# Altium PCB 105358-3LA001-02_EFM1.5.PcbDoc (part 1 of 2)
Units mm, origin at the board's own origin, x right, y up, seen from the top; angles counter-clockwise.
Board outline 33.3 x 14.2 mm, 6 copper layers (Component Side, Inner Layer 1, Ground Plane (GND), Power Plane (VCC), Inner Layer 2, Solder Side), stack 0.975 mm thick; 79 components, 51 nets, 276 pads, 125 vias.
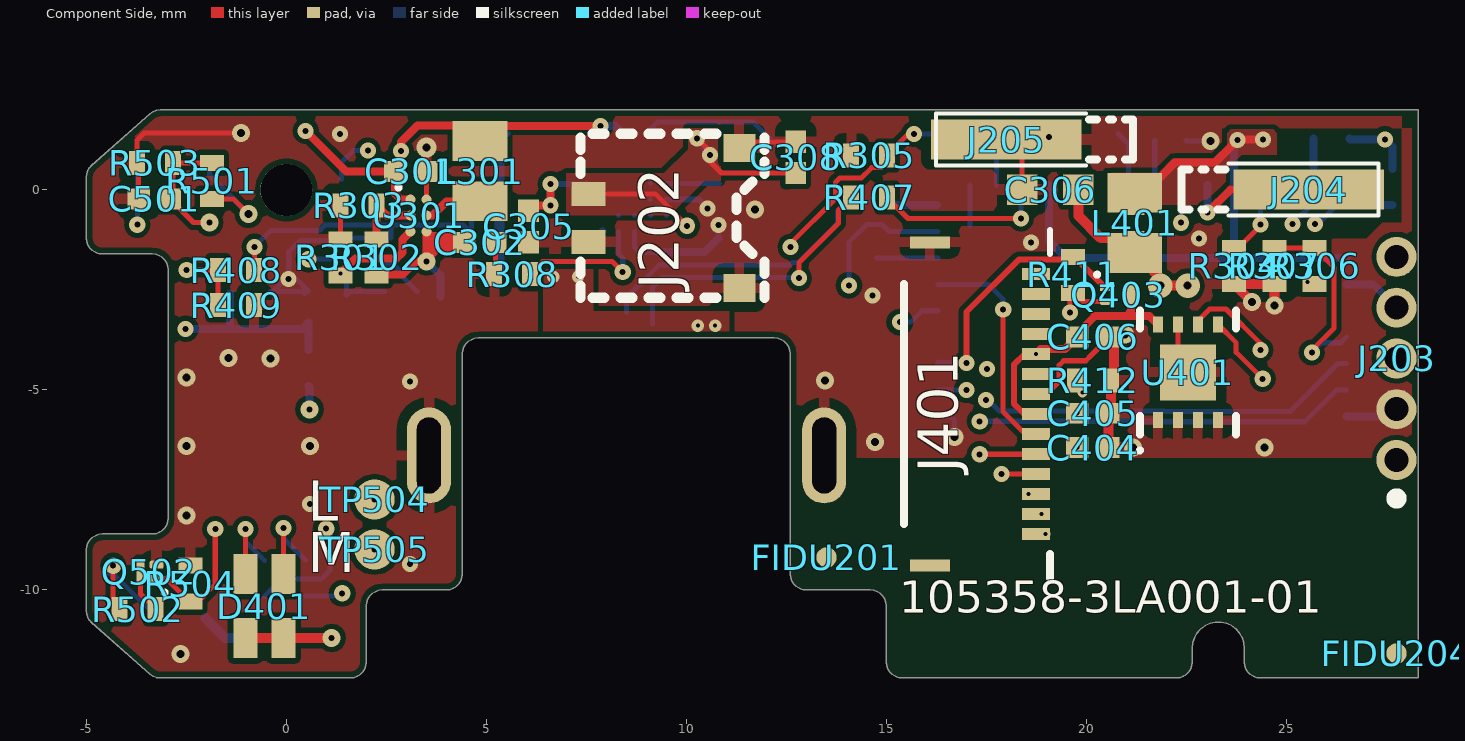
[diagram p0: Component Side view]
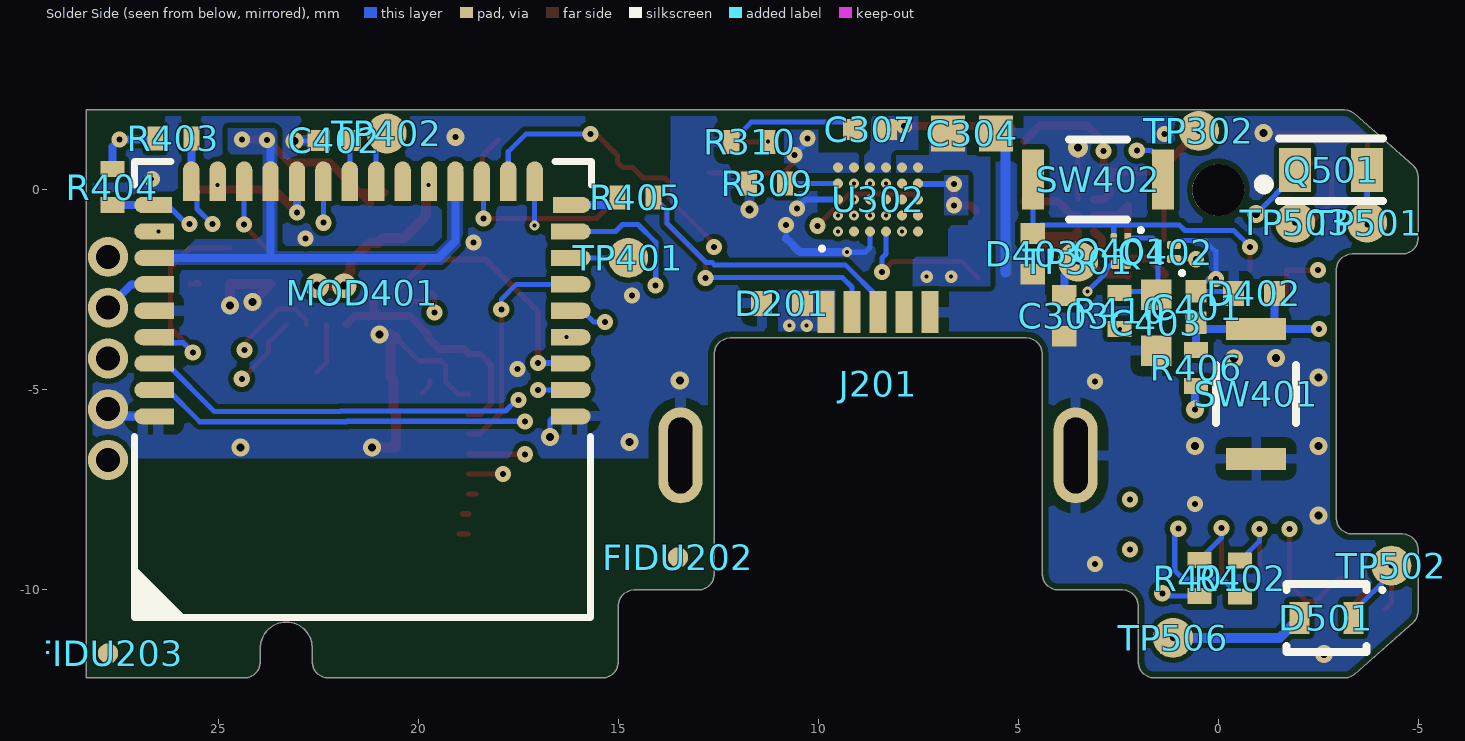
[diagram p1: Solder Side view, seen from below]
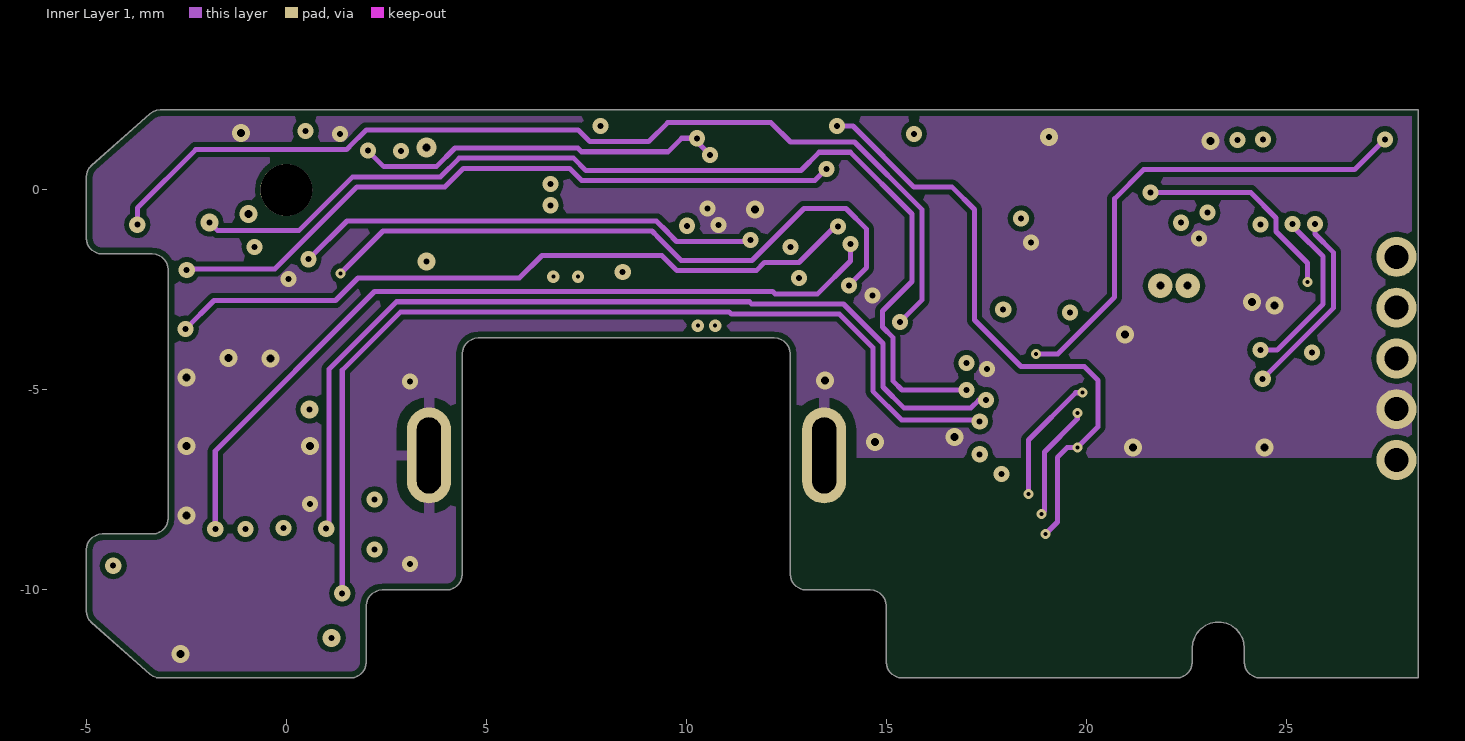
[diagram p2: Inner Layer 1]
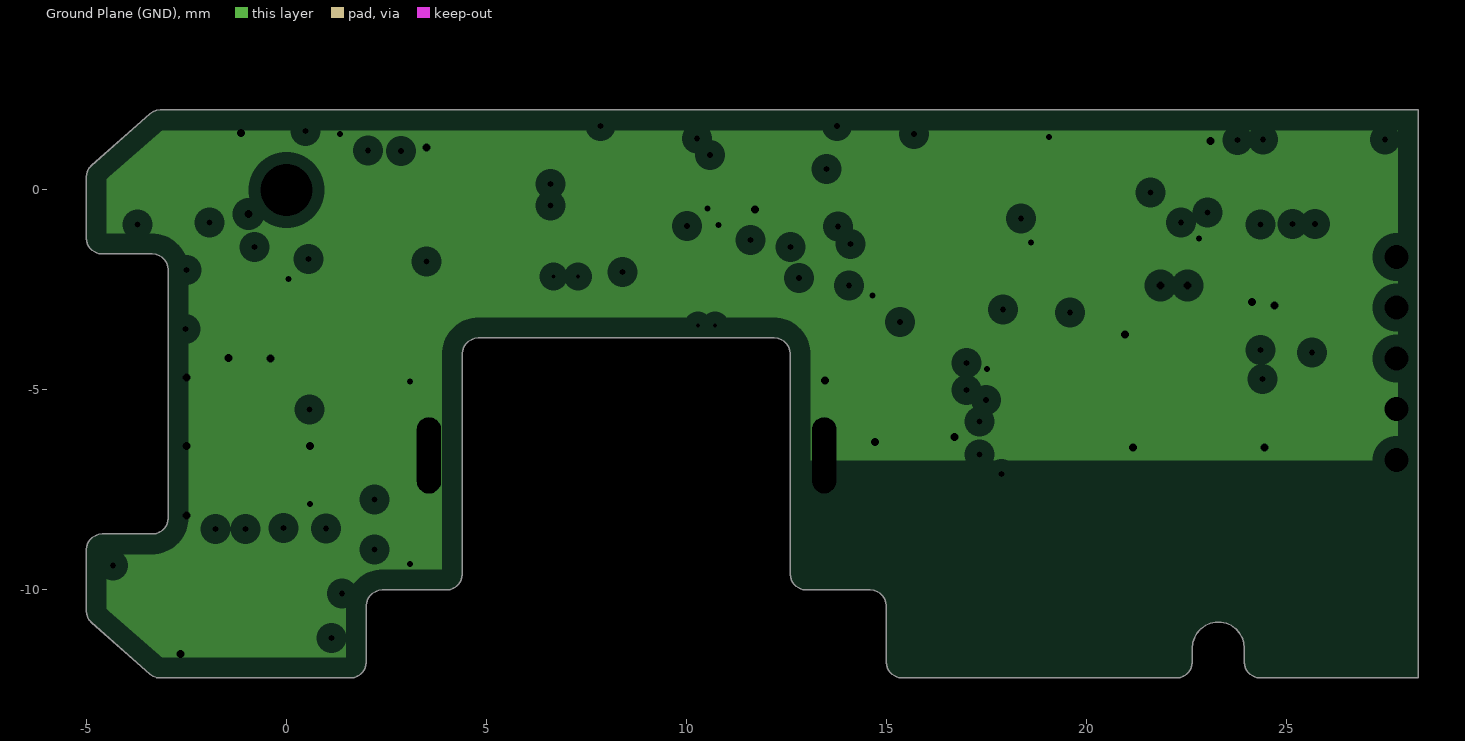
[diagram p3: Ground Plane (GND), clearances drawn from the general rule]
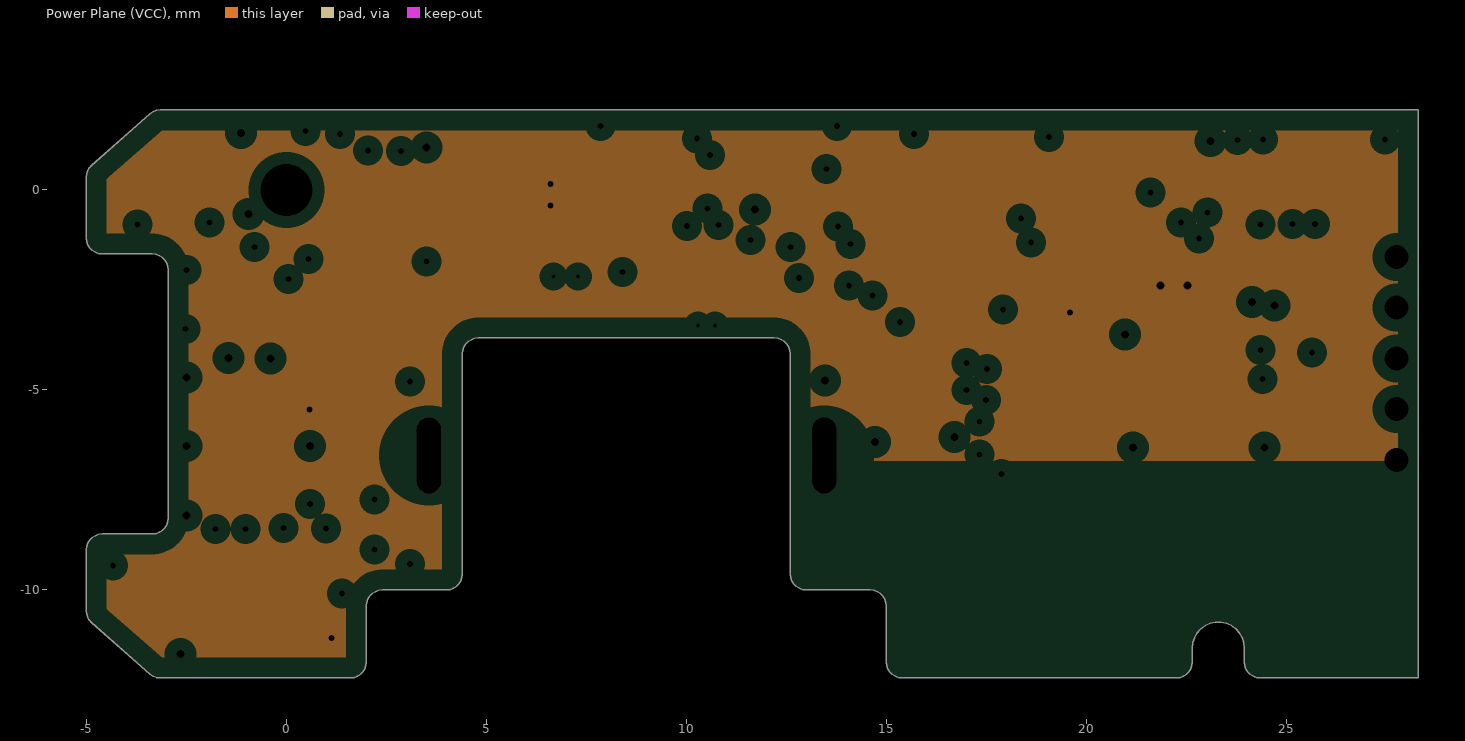
[diagram p4: Power Plane (VCC), clearances drawn from the general rule]
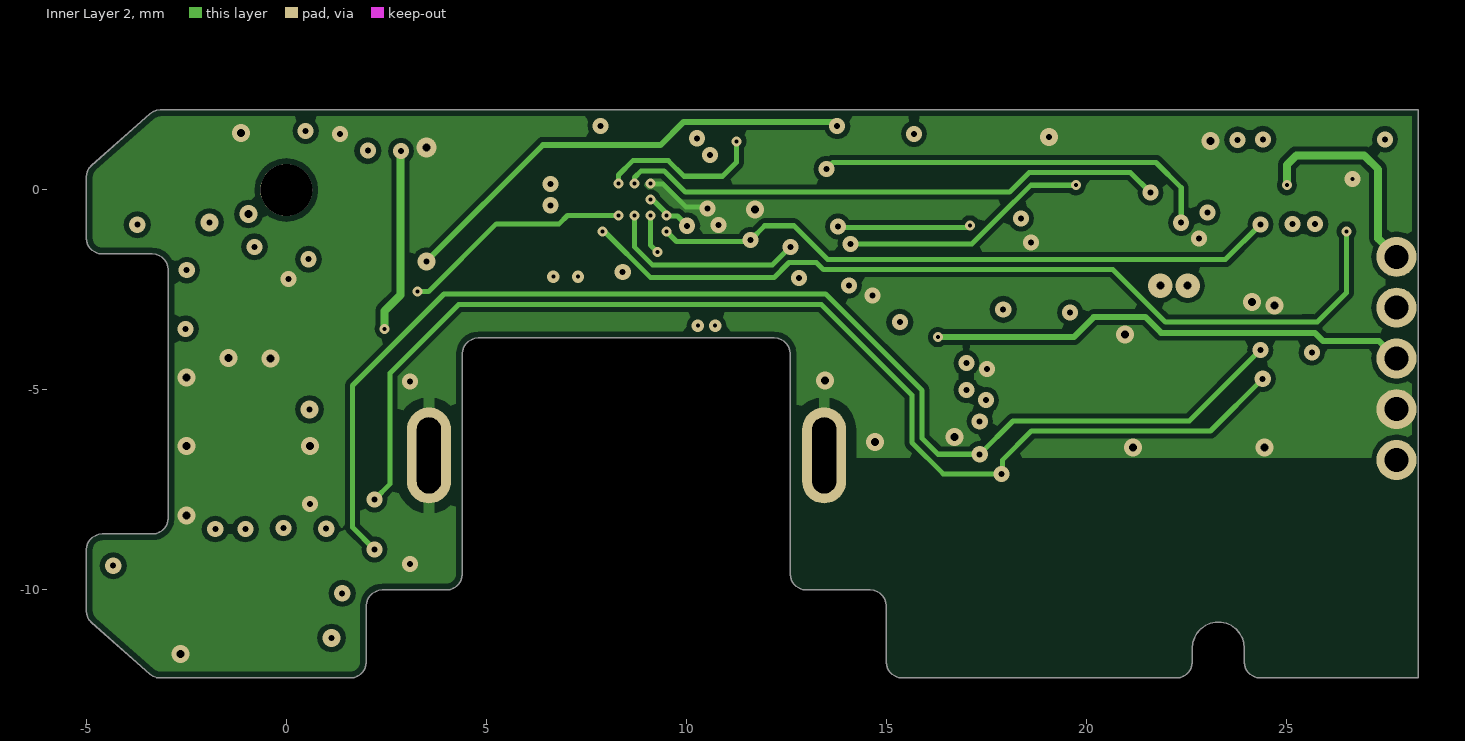
[diagram p5: Inner Layer 2]

## Layer stack, top to bottom
Top Solder: solder mask 0.0178, Solder Resist, Dk 4
Component Side: signal copper 0.0356
Dielectric 1: prepreg 0.0635, FR-4, Dk 4.2
Inner Layer 1: signal copper 0.0356
Dielectric 3: prepreg 0.0635, FR-4, Dk 4.2
Ground Plane (GND): plane copper 0.0356, net GND
Dielectric 6: core 0.508, FR-4, Dk 4.2
Power Plane (VCC): plane copper 0.0356, net 3V
Dielectric 5: prepreg 0.0635, FR-4, Dk 4.2
Inner Layer 2: signal copper 0.0356
Dielectric 4: prepreg 0.0635, FR-4, Dk 4.2
Solder Side: signal copper 0.0356
Bottom Solder: solder mask 0.0178, Solder Resist, Dk 4

## Board outline
-4.865,-10.819 -3.413,-12.1 -3.334,-12.154 -3.244,-12.188 -3.149,-12.2 1.6,-12.2 1.689,-12.19 1.774,-12.16 1.849,-12.113 1.913,-12.049 1.96,-11.974 1.99,-11.889 2,-11.8 2,-10.4 2.01,-10.311 2.04,-10.226 2.087,-10.151 2.151,-10.087 2.226,-10.04 2.311,-10.01 2.4,-10 4,-10 4.089,-9.99 4.174,-9.96 4.249,-9.913 4.313,-9.849 4.36,-9.774 4.39,-9.689 4.4,-9.6 4.4,-4.1 4.41,-4.011 4.44,-3.926 4.487,-3.851 4.551,-3.787 4.626,-3.74 4.711,-3.71 4.8,-3.7 12.2,-3.7 12.289,-3.71 12.374,-3.74 12.449,-3.787 12.513,-3.851 12.56,-3.926 12.59,-4.011 12.6,-4.1 12.6,-9.6 12.61,-9.689 12.64,-9.774 12.687,-9.849 12.751,-9.913 12.826,-9.96 12.911,-9.99 13,-10 14.6,-10 14.689,-10.01 14.774,-10.04 14.849,-10.087 14.913,-10.151 14.96,-10.226 14.99,-10.311 15,-10.4 15,-11.8 15.01,-11.889 15.04,-11.974 15.087,-12.049 15.151,-12.113 15.226,-12.16 15.311,-12.19 15.4,-12.2 22.25,-12.2 22.339,-12.19 22.424,-12.16 22.499,-12.113 22.563,-12.049 22.61,-11.974 22.64,-11.889 22.65,-11.8 22.65,-11.45 22.664,-11.315 22.706,-11.186 22.774,-11.068 22.865,-10.967 22.975,-10.887 23.099,-10.832 23.232,-10.804 23.368,-10.804 23.501,-10.832 23.625,-10.887 23.735,-10.967 23.826,-11.068 23.894,-11.186 23.936,-11.315 23.95,-11.45 23.95,-11.8 23.96,-11.889 23.99,-11.974 24.037,-12.049 24.101,-12.113 24.176,-12.16 24.261,-12.19 24.35,-12.2 28.3,-12.2 28.3,2 -3.149,2 -3.244,1.988 -3.334,1.954 -3.413,1.9 -4.865,0.619 -4.922,0.557 -4.965,0.484 -4.991,0.404 -5,0.319 -5,-1.2 -4.99,-1.289 -4.96,-1.374 -4.913,-1.449 -4.849,-1.513 -4.774,-1.56 -4.689,-1.59 -4.6,-1.6 -3.35,-1.6 -3.261,-1.61 -3.176,-1.64 -3.101,-1.687 -3.037,-1.751 -2.99,-1.826 -2.96,-1.911 -2.95,-2 -2.95,-8.2 -2.96,-8.289 -2.99,-8.374 -3.037,-8.449 -3.101,-8.513 -3.176,-8.56 -3.261,-8.59 -3.35,-8.6 -4.6,-8.6 -4.689,-8.61 -4.774,-8.64 -4.849,-8.687 -4.913,-8.751 -4.96,-8.826 -4.99,-8.911 -5,-9 -5,-10.519 -4.991,-10.604 -4.965,-10.684 -4.922,-10.757

## Design rules (kind name [scope] priority, off if disabled: settings)
AcuteAngle [All] p1: minimum=6.00000000000000E+0001 checktracksonly=FALSE
AssemblyTestpoint [(IsPad And (OnTopLayer Or OnBottomLayer)) Or (IsVia) Or (IsPad And OnMultiLayer)] p1: testpointundercomponent=TRUE minsize=0.8 maxsize=2.5 preferedsize=1 minholesize=0 maxholesize=2 preferedholesize=0.7 testpointgrid=0.025 usegrid=FALSE gridtolerance=0 allowsidebottom=TRUE minspacing=2.54
BoardOutlineClearance [All] p1: gap=0.15 ignorepadtopadclearanceinfootprint=FALSE
Clearance Clearance_FIDU [InComponentClass('FIDU')] p1: gap=0.2 ignorepadtopadclearanceinfootprint=FALSE except(0: Arc-Hole Track-Hole SMDPad-Hole THPad-Hole Via-Hole Fill-Hole Poly-Hole Region-Hole Text-Hole)
Clearance TRX_LINE_CLEARENCE [InNetClass('RF_50_Ohm')] p2: gap=0.4 ignorepadtopadclearanceinfootprint=FALSE except(0: Arc-Hole Track-Hole SMDPad-Hole THPad-Hole Via-Hole Fill-Hole Poly-Hole Region-Hole Text-Hole)
Clearance Clearance_4 [All] p3: gap=0.127 ignorepadtopadclearanceinfootprint=FALSE // All - All
Clearance Clearance_2 [InNetClass('Primary') vs InNetClass('Primary') or InNet('GND')] p4: gap=2.5 ignorepadtopadclearanceinfootprint=FALSE except(0: Arc-Hole Track-Hole SMDPad-Hole THPad-Hole Via-Hole Fill-Hole Poly-Hole Region-Hole Text-Hole) // Primary - Primary
Clearance Clearance_1 [OnLayer('Mid-Layer 1') or OnLayer('Multi-Layer') vs OnLayer('Mid-Layer 1')] p5: gap=0.4 ignorepadtopadclearanceinfootprint=FALSE except(0: Arc-Hole Track-Hole SMDPad-Hole THPad-Hole Via-Hole Fill-Hole Poly-Hole Region-Hole Text-Hole) // Inner Layers
Clearance Clearance_TP [InComponentClass('TP')] p6: gap=0.127 ignorepadtopadclearanceinfootprint=FALSE except(0: Arc-Hole Track-Hole SMDPad-Hole THPad-Hole Via-Hole Fill-Hole Poly-Hole Region-Hole Text-Hole; 0.2: Arc-Arc Arc-Track Arc-SMDPad Arc-THPad Arc-Via Arc-Fill Arc-Poly Arc-Region Track-Track Track-SMDPad Track-THPad Track-Via Track-Fill Track-Poly Track-Region THPad-THPad THPad-Via THPad-Fill THPad-Poly THPad-Region)
ComponentClearance [ALL and not( ( InComponentClass('NET_TIE') or InComponentClass('TP'))OR InComponentClass('FIDU')or InComponentClass('3D_IGNORE')or InComponent('D401'))] p1: gap=0.15 collisioncheckmode=3 verticalgap=0.1 showdistances=TRUE
DiffPairsRouting [All] p1: maxlimit=0.254 minlimit=0.2 mostfreqgap=0.2 toplayer_minwidth=0.127 toplayer_maxwidth=0.381 toplayer_prefwidth=0.2 midlayer1_minwidth=0.127 midlayer1_maxwidth=0.381 midlayer1_prefwidth=0.2 midlayer2_minwidth=0.127 midlayer2_maxwidth=0.381 midlayer2_prefwidth=0.2 bottomlayer_minwidth=0.127 bottomlayer_maxwidth=0.381 bottomlayer_prefwidth=0.2 maxuncoupledlength=12.7
FabricationTestPointUsage TestPointUsage [All] p1: valid=0 allowmultiple=FALSE
FabricationTestpoint Testpoint [(IsPad And (OnTopLayer Or OnBottomLayer)) Or (IsVia) Or (IsPad And OnMultiLayer)] p1: side=2 testpointundercomponent=TRUE minsize=0.8 maxsize=2.5 preferedsize=1 minholesize=0 maxholesize=2 preferedholesize=0.7 testpointgrid=2.54 allowsidebottom=TRUE usegrid=TRUE gridoriginx=109.725 gridoriginy=79.23 gridtolerance=0 minspacing=2.54
FanoutControl Fanout_Default [All] p1: bgadir=Out bgaviamode=Centered fanoutstyle=Auto fanoutdirection=Alternating viagrid=0.025 // Fanout_Default (Default Rule)
FanoutControl Fanout_Small [(CompPinCount < 5)] p2: bgadir=Out bgaviamode=Centered fanoutstyle=Auto fanoutdirection=OutThenIn viagrid=0.025 // Fanout_Small (Default Rule)
FanoutControl Fanout_LCC [IsLCC] p4: bgadir=Out bgaviamode=Centered fanoutstyle=Auto fanoutdirection=Alternating viagrid=0.025 // Fanout_LCC (Default Rule)
FanoutControl Fanout_BGA [IsBGA] p5: bgadir=Out bgaviamode=Centered fanoutstyle=Auto fanoutdirection=Alternating viagrid=0.025 // Fanout_BGA (Default Rule)
HoleSize [All] p1: absolutevalues=TRUE maxlimit=3.5 minlimit=0.1 maxpercent=80.000 minpercent=20.000
HoleToHoleClearance [All] p1: gap=0.127 allowstackedmicrovias=TRUE
MinimumAnnularRing MinimumAnnularRing_Uvia1 [InDrillLayerPair('Component Side - Inner Layer 1')] p1: minimumring=0.074
MinimumAnnularRing MinimumAnnularRing_Uvia2 [InDrillLayerPair('Inner Layer 2 - Solder Side')] p2: minimumring=0.074
MinimumAnnularRing MinimumAnnularRing_2 [isPad] p3: minimumring=0.2
MinimumAnnularRing MinimumAnnularRing_1 [isVia] p4: minimumring=0.125
MinimumSolderMaskSliver [All] p1: minsoldermaskwidth=0.06
MinimumSolderMaskSliver SilkscreenOverComponentPads [IsPad] p2: minsoldermaskwidth=0.075
PlaneClearance [All] p1: clearance=0.3
PlaneConnect PlaneConnect_VIA [isVia or HasFootprint('PAD PROGRAMMING')] p1: planeconnectstyle=Direct reliefexpansion=0.508 reliefentries=4 reliefconductorwidth=0.254 reliefairgap=0.254
PlaneConnect [All] p2: planeconnectstyle=Relief reliefexpansion=0.508 reliefentries=4 reliefconductorwidth=0.254 reliefairgap=0.254
PolygonConnect PolygonConnect_NO-Thermal [All vs IsNamedPolygon('NETC303_1_5VIN') or  IsNamedPolygon('Solder Side-VCC_SYS') or IsNamedPolygon('CC-3V_CAPS') or  IsNamedPolygon('Ss-5V_USB_IN_2') or IsNamedPolygon('SS-NetC307_2') or IsNamedPolygon('SS-GND_SB03') or IsNamedPolygon('Component Side-NetC307_2') or IsNamedPolygon('Solder Side-NetJ201_5') or  IsNamedPolygon('Component Side-NetJ201_5')or  IsNamedPolygon('Component Side-BLE_VDD_4')or IsNamedPolygon('SS-BLE_VDD_4')or IsNamedPolygon('SS-GND_9VRED')] p1: connectstyle=Direct reliefconductorwidth=0.254 reliefentries=4 polygonreliefangle="90 Angle" airgapwidth=0.254
PolygonConnect PolygonConnect_VIA [IsVia] p2: connectstyle=Direct reliefconductorwidth=0.254 reliefentries=4 polygonreliefangle="90 Angle" airgapwidth=0.254
PolygonConnect NET_TIE [InComponentClass('NET_TIE')] p3: connectstyle=Direct reliefconductorwidth=0.254 reliefentries=4 polygonreliefangle="90 Angle" airgapwidth=0.254
PolygonConnect PolygonConnect_TP_I [HasFootprint('TESTPOINT_C_R0608')or HasFootprint('TESTPOINT_C_R0402')OR HasFootprint('PAD PROGRAMMING')] p4: connectstyle=Direct reliefconductorwidth=0.254 reliefentries=4 polygonreliefangle="90 Angle" airgapwidth=0.254
PolygonConnect [All] p5: connectstyle=Relief reliefconductorwidth=0.254 reliefentries=4 polygonreliefangle="90 Angle" airgapwidth=0.254
RoutingVias [((StartLayer = 'Component Side') and (StopLayer = 'Solder Side' )) or ((StartLayer = 'Solder Side') and (StopLayer = 'Component Side' ))] p1: holewidth=0.15 width=0.401 viastyle="Through Hole" minholewidth=0.15 minwidth=0.4 maxholewidth=0.2 maxwidth=0.61
RoutingVias Microvia [((StartLayer = 'Component Side') and (StopLayer = 'Inner Layer 1' )) or  ((StartLayer = 'Inner Layer 2'  ) and (StopLayer = 'Solder Side')) or ((StartLayer = 'Inner Layer 1') and (StopLayer = 'Component Side'  )) or ((StartLayer = 'Solder Side' ) and (StopLayer = 'Inner Layer 2'))] p2: holewidth=0.1 width=0.31 viastyle="Through Hole" minholewidth=0.1 minwidth=0.25 maxholewidth=0.15 maxwidth=0.45
RoutingVias BuriedVia [((StartLayer = 'Inner Layer 1') and (StopLayer = 'Inner Layer 2' )) or  ((StartLayer = 'Inner Layer 2') and (StopLayer = 'Inner Layer 1' ))] p3: holewidth=0.15 width=0.401 viastyle="Through Hole" minholewidth=0.15 minwidth=0.401 maxholewidth=0.2 maxwidth=0.61
SilkToSilkClearance [All] p1: silktosilkclearance=0
SilkToSolderMaskClearance SilkscreenOverComponentPads_1 [IsPad] p1: minsilkscreentomaskgap=0 clearancetoexposedcopper=TRUE
SolderMaskExpansion SolderMaskExpansion_2 [All] p1: expansion=0.1
SolderMaskExpansion SolderMaskExpansion_1 [isVia And Not TestpointBottom] p2: expansion=-0.508
Width [All] p1: maxlimit=5 minlimit=0.127 preferedwidth=0.2
14 further rules are at their usual default settings.

## Classes and differential pairs
polygon class PolygonClass_NOTHERMAL: NETC303_1_5VIN
component class 3D_EXPORT: D401 D501 J201 J202 J204 J205 J401 MOD401 Q501 SW401 SW402
component class "Power Management": C301 C302 C303 C304 C305 C306 C307 C308 L301 R301 R302 R303 R304 R305 R306 R307 R308 R309 R310 TP301 TP302 U301 U302
component class "IO Board": C501 D501 Q501 Q502 R501 R502 R503 R504 TP501 TP502 TP503 TP504 TP505 TP506
component class "CPU Board": C401 C402 C403 C404 C405 C406 D401 D402 D403 J401 L401 MOD401 Q401 Q402 Q403 R401 R402 R403 R404 R405 R406 R407 R408 R409 R410 R411 R412 SW401 SW402 TP401 TP402 U401
component class "Block diagram": D201 FIDU201 FIDU202 FIDU203 FIDU204 J201 J202 J203 J204 J205
component class FIDU: FIDU2 FIDU201 FIDU202 FIDU203 FIDU204
component class TP: J203 TP301 TP302 TP401 TP402 TP501 TP502 TP503 TP504 TP505 TP506
component class 3D_IGNORE: C304

## Components (designator, comment, footprint, x,y, rotation, side; value= is the part's Value field where it differs from the comment)
C301 "1µF-10V" 0402C_HIGH_DENSITY 3.106,0.464 r180 top
C302 "1µF-10V" 0402C_HIGH_DENSITY 4.837,-1.313 r180 top
C303 "DNP" 0402C-GENERIC 3.849,-3.149 r90 bottom
C304 "10µF-16V" 0603C_HIGH_DENSITY 6.153,1.417 r180 bottom
C305 "1µF-10V" 0402C_HIGH_DENSITY 6.056,-0.913 r90 top
C306 "DNP" 0603C-GENERIC 19.087,-0.006 r0 top
C307 "1µF-10V" 0402C_HIGH_DENSITY 8.706,1.514 r180 bottom
C308 "4.7µF" 0402C_HIGH_DENSITY 12.736,0.814 r270 top
C401 "0.1µF-10V" 0402C_HIGH_DENSITY 0.556,-2.926 r270 bottom
C402 "2.2nF" 0402C_HIGH_DENSITY 22.1,1.239 r0 bottom
C403 "22µF" 0603C-GENERIC 1.53,-3.332 r90 bottom
C404 "4.7µF" 0402C_HIGH_DENSITY 20.164,-6.439 r0 top
C405 "4.7µF" 0402C_HIGH_DENSITY 20.164,-5.581 r180 top
C406 "1µF-10V" 0402C_HIGH_DENSITY 20.164,-3.674 r180 top
C501 "1.2nF-10V" 0402C_HIGH_DENSITY -3.302,-0.222 r0 top
D201 "LXES15AAA1-133" 0402C-GENERIC 10.907,-2.836 r180 bottom
D401 "LED OG" KPHBM-2012CGKSEKC -0.55,-10.405 r270 top
D402 "LXES15AAA1-133" 0402C-GENERIC -0.894,-2.586 r180 bottom
D403 "LXES15AAA1-133" 0402C-GENERIC 4.636,-1.596 r90 bottom
D501 "APT1608F3C" APT1608F3C -2.7,-10.7 r180 bottom locked
FIDU201 "FIDU-miniROUND" FIDU-MINI-ROUND#1 13.506,-9.186 r90 top locked
FIDU202 "FIDU-miniROUND" FIDU-MINI-ROUND#2 13.263,-10.444 r90 bottom locked
FIDU203 "FIDU-miniROUND" FIDU-MINI-ROUND#3 26.738,-11.64 r90 bottom locked
FIDU204 "FIDU-miniROUND" FIDU-MINI-ROUND#4 27.756,-11.583 r90 top locked
J201 "USB3155" USB3155 8.506,-8.156 r90 bottom locked
J202 "0781710002" "PAD 0781710002" 7.551,-0.696 r90 top locked
J203 "CPU Prog. PADs" "PAD PROGRAMMING" 27.756,-4.211 r180 top
J204 "120220-0161" "PAD 1.0x3.76mm" 25.561,0.011 r270 top locked
J205 "120220-0161" "PAD 1.0x3.76mm" 17.995,1.262 r90 top
J401 "5034801400" 5034801400 18.74,-5.35 r180 top locked
L301 "10µH" 0805L_HIGH_DENSITY 4.845,0.469 r270 top
L401 "BLM21PG331SN1D" "0805L_HIGH_DENSITY - Hybrid 0402" 21.21,-0.819 r270 top
MOD401 "CYBLE-214009-00" CYBLE-014008-00_MINKEEPOUT 26.894,-10.486 r180 bottom locked
Q401 "CSD23382F4" "CSD23382F4 -DFN65P100X35-3L" 2.438,-1.531 r270 bottom
Q402 "CSD13380F3T" CSD13380F3-DFN40P69X35-3L 1.284,-1.551 r0 bottom
Q403 "CSD23382F4" "CSD23382F4 -DFN65P100X35-3L" 20.795,-2.618 r0 top
Q501 "KPT-2012P3BT" APT2012P3BT -2.82,0.5 r180 bottom locked
Q502 "CSD13380F3T" CSD13380F3-DFN40P69X35-3L -3.419,-9.542 r180 top
R301 "820K" 0402R-GENERIC 1.356,-1.686 r90 top
R302 "820K" 0402R-GENERIC 2.256,-1.686 r90 top
R303 "82K" 0402R-GENERIC 1.806,-0.386 r180 top
R304 "82K" 0402R-GENERIC 23.696,-1.898 r270 top
R305 "820K" 0402R-GENERIC 14.57,0.865 r180 top
R306 "200K" 0402R-GENERIC 25.705,-1.898 r90 top
R307 "150K" 0402R-GENERIC 24.701,-1.898 r270 top
R308 "10K" 0402R-GENERIC 5.646,-2.106 r180 top
R309 "5.6K" 0402R-GENERIC 11.276,0.164 r180 bottom
R310 "41.2K" 0402R-GENERIC 11.716,1.204 r180 bottom
R401 "33" 0402R-GENERIC 0.475,-9.701 r90 bottom
R402 "33" 0402R-GENERIC -0.548,-9.709 r90 bottom
R403 "10K" 0402R-GENERIC 26.125,1.289 r180 bottom
R404 "10K" 0402R-GENERIC 27.65,0.074 r270 bottom
R405 "Do Not Place" 0402R-GENERIC 14.57,-0.187 r0 bottom
R406 "41.2K" 0402R-GENERIC 0.556,-4.45 r90 bottom
R407 "Do Not Place" 0402R-GENERIC 14.57,-0.187 r0 top
R408 "390K" 0402R-GENERIC -1.255,-2.006 r180 top
R409 "820K" 0402R-GENERIC -1.255,-2.88 r180 top
R410 "82K" 0402R-GENERIC 2.469,-3.022 r90 bottom
R411 "10K" 0402R-GENERIC 19.667,-2.12 r90 top
R412 "390K" 0402R-GENERIC 20.164,-4.76 r0 top
R501 "0" 0402R-GENERIC -1.858,0.228 r90 top
R502 "100" 0402R-GENERIC -3.718,-10.479 r0 top
R503 "1K" 0402R-GENERIC -3.284,0.678 r180 top
R504 "10K" 0402R-GENERIC -2.398,-9.842 r90 top
SW401 "KXT311LHS" KXT311LHS_B -0.946,-5.096 r90 bottom locked
SW402 "KXT311LHS" KXT311LHS_B 3.006,0.264 r0 bottom locked
TP301 "TEST POINT" "PAD TEST POINT" 3.506,-1.786 r90 bottom
TP302 "TEST POINT" "PAD TEST POINT" 0.484,1.477 r90 bottom
TP401 "TEST POINT" "PAD TEST POINT" 14.753,-1.696 r90 bottom
TP402 "TEST POINT" "PAD TEST POINT" 20.789,1.413 r90 bottom
TP501 "TEST POINT" "PAD TEST POINT" -3.72,-0.815 r90 bottom
TP502 "TEST POINT" "PAD TEST POINT" -4.327,-9.393 r90 bottom
TP503 "TEST POINT" "PAD TEST POINT" -1.92,-0.812 r90 bottom
TP504 "TEST POINT" "PAD TEST POINT" 2.206,-7.736 r270 top
TP505 "TEST POINT" "PAD TEST POINT" 2.206,-8.986 r270 top
TP506 "TEST POINT" "PAD TEST POINT" 1.132,-11.197 r90 bottom
U301 "TPS61046YFFR" TPS61046YFFR 3.306,-0.636 r0 top
U302 "STBC03" STBC03 8.506,-0.236 r90 bottom
U401 "M24256-DFCS6TP/K" UFDFPN8-M24256-DFMC6TG 22.54,-4.56 r90 top

## Footprints (in the part's own frame and the unit in brackets; to place one, negate y for a bottom-side part, rotate by r counter-clockwise, add the part's x,y. Pads: shape width x height; smd on the part's side, far side on the other; paste and mask are expansions set on the pad)
0402C-GENERIC [mm] "Chip Capacitor, 2-Leads, Body 1.00x0.50mm, IPC Medium Density"
  rect 0.52x0.62 smd: 1(-0.51,0) 2(0.51,0)
  body extent -0.53,-0.28 0.53,0.27, height 0.6
0402C_HIGH_DENSITY [mm]
  rect 0.56x0.52 smd mask+0.06: 1(-0.39,0) 2(0.39,0)
  body extent -0.53,-0.28 0.53,0.28, height 0.55
0402R-GENERIC [mm] "0402 RES"
  rect 0.4x0.6 smd mask+0.08: 1(-0.45,0) 2(0.45,0)
  body extent -0.53,-0.28 0.53,0.27, height 0.4
0603C-GENERIC [mil]
  rect 30x30 smd mask+3.15: 1(-27.16,0.65) 2(27.84,0.65)
  body extent -31,-14 32,16, height 19
0603C_HIGH_DENSITY [mm]
  rect 0.85x0.9 smd mask+0.08: 1(-0.6,0) 2(0.6,0)
  body extent -0.87,-0.48 0.87,0.48, height 0.95
0805L_HIGH_DENSITY [mm]
  rect 0.99x1.37 smd: 1(-0.755,0) 2(0.755,0)
  body extent -1.1,-0.72 1.1,0.72, height 1.45
"0805L_HIGH_DENSITY - Hybrid 0402" [mm]
  rect 0.99x1.37 smd: 1(-0.755,0) 2(0.755,0)
  rect 0.6x0.5 smd: 1(-0.5,0) 2(0.5,0)
  body extent -1.1,-0.72 1.1,0.72, height 1.45
5034801400 [mm] "Pads for Molex connector to OLED Display using I2C"
  rect 0.7x0.3 smd mask+0.07: 1(0,-3.25) 2(0,-2.75) 3(0,-2.25) 4(0,-1.75) 5(0,-1.25) 6(0,-0.75) 7(0,-0.25) 8(0,0.25) 9(0,0.75) 10(0,1.25) 11(0,1.75) 12(0,2.25) 13(0,2.75) 14(0,3.25)
  rect 1x0.3 smd mask+0.08: SH(2.65,-4.04) ""(2.65,4.04)
  silkscreen extent -0.35,-4.35 3.3,4.35, body extent -0.32,-4.35 3.28,4.35, height 1.88
APT1608F3C [mm] "EMITTER IR 940NM 50MA 603"
  rect 0.5x0.8 smd: 1(-0.675,0) 2(0.675,0)
  silkscreen extent -1,-0.85 1.45,0.85, body extent -0.8,-0.4 0.81,0.4, height 0.75
APT2012P3BT [mm] "PHOTOTRANSISTOR IR NPN 940NM SMD"
  rect 0.8x1.1 smd: 1(-0.9,0) 2(0.9,0)
  silkscreen extent -1.81,-0.78 1.3,0.78, body extent -1,-0.63 1,0.63, height 0.78
CSD13380F3-DFN40P69X35-3L [mm] "DFN, 3-Leads, Body 0.60x0.69mm, Pitch 0.40mm, IPC High Density"
  rrect50% 0.195x0.6 smd mask-0.025: D(0.225,0)
  rrect50% 0.35x0.2 smd paste-0.03 mask-0.025: G(-0.175,0.175) S(-0.175,-0.175)
  silkscreen extent -0.42,0.48 -0.33,0.57, body extent -0.37,-0.32 0.36,0.32, height 0.35
"CSD23382F4 -DFN65P100X35-3L" [mm] "DFN, 3-Leads, Body 0.60x1.00mm, Pitch 0.65mm, IPC High Density"
  rrect50% 0.25x0.5 smd paste+0 mask+0.04: D(0.325,0)
  rect 0.25x0.16 smd paste-0.03 mask+0.04: G(-0.325,0.175)
  rrect50% 0.25x0.16 smd paste-0.04 mask+0.04: S(-0.325,-0.175)
  silkscreen extent -0.57,0.45 -0.48,0.55, body extent -0.52,-0.32 0.52,0.32, height 0.35
CYBLE-014008-00_MINKEEPOUT [mil]
  round 16 smd mask+2: 1(0,190) 2(0,216) 3(0,242) 4(0,268) 5(0,294) 6(0,320) 7(0,346) 8(0,372) 9(0,398) 10(48,433) 11(74,433) 12(100,433) 13(126,433) 14(152,433) 15(178,433) 16(204,433) 17(230,433) 18(256,433) 19(282,433) 20(308,433) 21(334,433) 22(360,433) 23(386,433) 24(433,398) 25(433,372) 26(433,346) 27(433,320) 28(433,294) 29(433,268) 30(433,242) 31(433,216) 32(433,190)
  rect 31x16 smd mask+2: 1(15.5,190) 2(15.5,216) 3(15.5,242) 4(15.5,268) 5(15.5,294) 6(15.5,320) 7(15.5,346) 8(15.5,372) 25(417.5,372) 26(417.5,346) 27(417.5,320) 28(417.5,294) 29(417.5,268) 30(417.5,242) 31(417.5,216) 32(417.5,190)
  rect 29x16 smd mask+2: 9(14.5,398) 24(418.5,398)
  rect 16x31 smd mask+2: 10(48,417.5) 11(74,417.5) 12(100,417.5) 13(126,417.5) 14(152,417.5) 15(178,417.5) 16(204,417.5) 17(230,417.5) 18(256,417.5) 19(282,417.5) 20(308,417.5) 21(334,417.5) 22(360,417.5) 23(386,417.5)
  silkscreen extent -8,-8 442,441, body extent 1,0 434,433, height 72
FIDU-MINI-ROUND#1 [mil]
  round 20 smd paste-78.74 mask+7.99: 1(0,0)
FIDU-MINI-ROUND#2 [mil]
  round 20 smd paste-78.74 mask+7.99: 1(49.52,9.58)
FIDU-MINI-ROUND#3 [mil]
  round 20 smd paste-78.74 mask+7.99: 1(2.13,40.1)
FIDU-MINI-ROUND#4 [mil]
  round 20 smd paste-78.74 mask+7.99: 1(-0.14,-0.02)
KPHBM-2012CGKSEKC [mm] "LED, Green, Orange, SMD"
  rect 1x0.6 smd: 1(0.8,0.475) 2(-0.8,0.475) 3(-0.8,-0.475) 4(0.8,-0.475)
  body extent -1,-0.62 1,0.63, height 0.43
KXT311LHS_B [mm] "SWITCH TACTILE SPST-NO 0.05A 12V"
  rect 0.55x1.5 smd mask+0.08: 1(-1.625,0) 2(1.625,0)
  silkscreen extent -0.72,-1 0.72,1, body extent -1.75,-1 1.75,1, height 0.5
"PAD 1.0x3.76mm" [mm] "UNIVERSAL CONTACT 2.5MM SMD"
  rect 1x3.76 smd mask+0.08: 1(0,0)
  silkscreen extent -0.65,-3.18 0.65,1.75, body extent -0.49,-3.14 0.49,1.78, height 2.5
"PAD 0781710002" [mm] "PAD 1.20MM WTB HEADER VERT 2POS"
  rect 0.6x0.85 smd: 1(-0.6,0) 2(0.6,0)
  rect 0.7x0.8 smd: 3(-1.75,-3.775) 3(1.75,-3.775)
  silkscreen extent -2,-4.4 2.1,0.2, body extent -2.05,-4.33 2.15,0.2, height 1.43
"PAD PROGRAMMING" [mm] "Programming Points"
  round 1 hole 0.6 paste-2 mask+0: 1(0,2.54) 2(0,1.27) 3(0,0) 4(0,-1.27) 5(0,-2.54)
  silkscreen extent -0.13,3.37 0.13,3.63
"PAD TEST POINT" [mm] "Testing Point"
  round 1 smd paste-2 mask+0: 1(0,0)
STBC03 [mm] "Li-Ion linear battery charger with LDO and load switches"
  round 0.25 smd paste-0.01 mask-0.02: A1(-0.8,1) A3(0,1) A4(0.4,1) A5(0.8,1) B1(-0.8,0.6) B5(0.8,0.6) C1(-0.8,0.2) C3(0,0.2) C5(0.8,0.2) D1(-0.8,-0.2) D3(0,-0.2) D5(0.8,-0.2) E1(-0.8,-0.6) E5(0.8,-0.6) F1(-0.8,-1) F2(-0.4,-1) F3(0,-1) F4(0.4,-1) F5(0.8,-1)
  round 0.25 smd paste-0.05 mask-0.02: A2(-0.4,1) B2(-0.4,0.6) B3(0,0.6) B4(0.4,0.6) C2(-0.4,0.2) C4(0.4,0.2) D2(-0.4,-0.2) D4(0.4,-0.2) E2(-0.4,-0.6) E3(0,-0.6) E4(0.4,-0.6)
  silkscreen extent -1.28,1.35 -1.18,1.45, body extent -1.12,-1.3 1.12,1.3, height 0.6
TPS61046YFFR [mm] "IC LED DRVR RGLTR DIM"
  round 0.25 smd mask+0.045: A1(-0.2,0.4) A2(0.2,0.4) B1(-0.2,0) B2(0.2,0) C1(-0.2,-0.4) C2(0.2,-0.4)
  silkscreen extent -0.55,0.65 -0.45,0.75, body extent -0.4,-0.6 0.4,0.6, height 0.63
UFDFPN8-M24256-DFMC6TG [mm] "PSON, 8-Leads, Body 2.00x3.00mm, Pitch 0.50mm, Thermal Pad 1.40x1.40mm, IPC High Density"
  rect 0.4x0.25 smd mask+0.08: 1(-1.195,0.75) 2(-1.195,0.25) 3(-1.195,-0.25) 4(-1.195,-0.75) 5(1.195,-0.75) 6(1.195,-0.25) 7(1.195,0.25) 8(1.195,0.75)
  rect 1.4x1.4 smd paste-0.7 mask+0.08: 9(0,0)
  silkscreen extent -2,-1.2 1.55,1.25, body extent -1.55,-1.05 1.55,1.05, height 0.45
USB3155 [mm] "USB Connector"
  rect 1.05x0.43 smd mask+0.07: 1(5.1,1.3) 2(5.1,0.65) 3(5.1,0) 4(5.1,-0.65) 5(5.1,-1.3)
  oval 2.4x1.1 hole 0.6 slot 1.9 at 0 deg: SH(1.52,-4.94) SH(1.52,4.94)
  body extent -1.14,-5.09 5.28,5.09, height 0.31

## Part data
C301 C302 C305 C307 C406: library part 0402C-1uF-10V, "1µF ±10% 10V X5R Ceramic Capacitor 0402", Capacitance=1µF, Digi-Key Part Number=311-1439-1-ND, Manufacturer=Yageo, Manufacturer Part Number=CC0402KRX5R6BB105, Temperature Coefficient=X5R, Tolerance=10%, Voltage - Rated=10V, PackageReference=0402
C303: library part 0402C-DNP-6.3V, Temperature Coefficient=X5R, Tolerance=10%, Voltage - Rated=6.3V, Capacitance=DNP, PackageReference=0402
C304: library part 0603C-10uF-16V, "16µF ±10% 16V X5R Ceramic Capacitor 0603", Capacitance=10µF, Digi-Key Part Number=490-12317-1-ND, Manufacturer="Murata Electronics North America", Manufacturer Part Number=GRT188R61C106KE13D, Temperature Coefficient=X5R, Tolerance=10%, Voltage - Rated=16V, ClassName=3D_IGNORE, PackageReference=0603
C306: library part 0603C-DNP=10uF-10V, Capacitance=10µF, Digi-Key Part Number=490-10474-1-ND, Manufacturer="Murata Electronics North America", Manufacturer Part Number=GRM188R61A106KE69D, Temperature Coefficient=X5R, Tolerance=10%, Voltage - Rated=10V, PackageReference=0603
C308 C404 C405: library part 0402C-4.7uF-6.3V, "4.7µF ±10% 6.3V X5R Ceramic Capacitor 0402", Digi-Key Part Number=445-5947-1-ND, Manufacturer="TDK Corporation", Manufacturer Part Number=C1005X5R0J475K050BC, Temperature Coefficient=X5R, Tolerance=10%, Voltage - Rated=6.3V, Capacitance=4.7µF, PackageReference=0402
C401: library part 0402C-0.1uF-10V, "0.1µF ±10% 10V X5R Ceramic Capacitor 0402", Capacitance=0.1µF, Digi-Key Part Number=311-1336-1-ND, Manufacturer=Yageo, Manufacturer Part Number=CC0402KRX5R6BB104, Temperature Coefficient=X5R, Tolerance=10%, Voltage - Rated=10V, PackageReference=0402
C402: library part 0402C-2.2nF-50V, "2.2nF ±10% 50V X5R Ceramic Capacitor 0402", Digi-Key Part Number=490-8257-1-ND, Manufacturer="Murata Electronics North America", Manufacturer Part Number=GRM155R61H222KA01D, Temperature Coefficient=X5R, Tolerance=10%, Voltage - Rated=50V, Capacitance=2.2nF, PackageReference=0402
C403: library part 0603C-22uF-10V, "22µF ±20% 10V Ceramic Capacitor X5R 0603", Digi-Key Part Number=445-9077-2-ND, Manufacturer="TDK Corporation", Manufacturer Part Number=C1608X5R1A226M080AC, Temperature Coefficient=X5R, Tolerance=20%, Voltage - Rated=10V, Capacitance=22µF, PackageReference=0603
C501: library part 0402C-1.2nF-10V, "1.2nF ±10% 10V U2J Ceramic Capacitor 0402", Capacitance=1.2nF, Digi-Key Part Number=490-6272-1-ND, Manufacturer="Murata Electronics North America", Manufacturer Part Number=GRM1557U1A122JA01D, Temperature Coefficient=U2J, Tolerance=5%, Voltage - Rated=10V, PackageReference=0402
D201 D402 D403: library part "TVS DIODE 15VWM 0402", "TVS DIODE 15VWM 0402", Capacitance @ Frequency="0.05pF @ 1MHz", Digi-Key Part Number=490-13209-1-ND, Manufacturer="Murata Electronics North America", Voltage - Reverse Standoff (Typ)=15V, Manufacturer Part Number=LXES15AAA1-133, PackageReference=0402, Type=Zener
D401: library part "LED GRN/ORNG 570NM 601NM", "LED GRN/ORNG", Color="Green, orange", Current - Test="O 30mA, G 30mA", Digi-Key Part Number=1686080, Manufacturer=Kingbright, Manufacturer Part Number=KPHBM-2012CGKSEKC, Millicandela Rating="O 250mcd, G 80mcd", Voltage - Forward (Vf) (Typ)="O 2.1V, G 2.1V", ComponentLink1Description=Datasheet, ComponentLink1URL=http://www.kingbright.com/attachments/file/psearch/000/00/00/KPHBM-2012CGKSEKC(Ver.11A).pdf, Wavelength - Peak="O 601nm, G 570nm"
D501: "0603 INFRARED DIODE", Current - DC Forward (If) (Max)=50mA, Digi-Key Part Number=754-1433-1-ND, Manufacturer=Kingbright, Operating Temperature="-40°C ~ 85°C (TA)", Voltage - Forward (Vf) (Typ)=1.2V, ClassName=3D_EXPORT, ComponentLink1Description=Datasheet, ComponentLink1URL=http://www.kingbrightusa.com/images/catalog/SPEC/APT1608F3C.pdf, Manufacturer Part Number=APT1608F3C, Mounting Type="Surface Mount", PackageReference=0603, Radiant Intensity (Ie) Min @ If="1.2mW/sr @ 20mA", Supplier 1=Digi-Key, Supplier Part Number 1=754-1433-1-ND, Type="Infrared (IR)", Viewing Angle=120°, Wavelength=940nm
J201: "CONN RCPT USB-mini B 2.0 5POS SLD", Digi-Key Part Number=2537026-Farnell, Manufacturer="GCT (GLOBAL CONNECTOR TECHNOLOGY)", Manufacturer Part Number=USB3155-30-A, ClassName=3D_EXPORT, ComponentLink1Description=Datasheet, ComponentLink1URL=https://gct.co/files/drawings/usb3155.pdf, ComponentLink2Description="Product Specification", ComponentLink2URL=https://gct.co/files/specs/usb3155-spec.pdf, Connector Type="USB - micro B"
J202: library part "CONNECTOR 1.20MM WTB HEADER VERT 2POS", "1.20MM WTB HEADER VERT 2POS", Digi-Key Part Number=WM4459CT-ND, Manufacturer="Molex, LLC", ClassName=3D_EXPORT, ComponentLink1Description=Datasheet, ComponentLink1URL=http://www.molex.com/pdm_docs/sd/781710002_sd.pdf, Manufacturer Part Number=0781710002, Mounting Type="Surface Mount"
J203: library part "PROGRAMMING PADS", "CPU Programming PADs", ClassName=TP
J204 J205: library part "UNIVERSAL_CONTACT_2.5MM SMD", "UNIVERSAL CONTACT 2.5MM SMD", Digi-Key Part Number=1003-1009-1-ND, Manufacturer="ITT Cannon, LLC", ClassName=3D_EXPORT, ComponentLink1Description=Datasheet, ComponentLink1URL=https://media.digikey.com/pdf/Data%20Sheets/ITT%20PDFs/Universal_Contact%202.5mm.pdf, Manufacturer Part Number=120220-0161, Mounting Type="Surface Mount"
J401: library part Molex-5034801400, "Connector molex to OLED Display", Digi-Key Part Number=WM1442CT-ND, Manufacturer="Molex, LLC", ClassName=3D_EXPORT, ComponentLink1Description=Datasheet, ComponentLink1URL=http://www.molex.com/pdm_docs/sd/5034801400_sd.pdf, Contact Finish=Gold, FFC, FCB Thickness=0.30mm, Flat Flex Type="FFC, FPC", Manufacturer Part Number=5034801400, Mating Cycles=10, Number of Positions=14, Pitch="0.020\" (0.50mm)"
L301: library part 0805L-10uH-0.39Ohm, "FIXED IND 10UH 500MA 300 MOHM", Current Rating (Max)=350mA, DCRDC Resistance (DCR)="390 mOhm Max", Digi-Key Part Number=445-6762-1-ND, Manufacturer="TDK Corporation", Manufacturer Part Number=MLZ2012N100LT000, Tolerance=20%, ComponentLink1Description=Datasheet, ComponentLink1URL=https://product.tdk.com/info/en/catalog/datasheets/inductor_commercial_decoupling_mlz2012_en.pdf, Impedance=10µH, Number of Lines=1, PackageReference=0805
L401: "0805 Ferrite Bead 330Ohm@100MHz", Current Rating (Max)=1.5A, DC Resistance (DCR) (Max)="70 mOhm", Digi-Key Part Number=490-5988-1-ND, Impedance @ FRequency="330 Ohm @ 100MHz", Manufacturer="Murata Electronics North America", ComponentLink1Description=Datasheet, ComponentLink1URL=http://www.murata.com/en-global/products/productdata/8796733767710/S0580E.pdf, Filter Type="Power Line", Manufacturer Part Number=BLM21PG331SN1D, Number of Lines=1, PackageReference="0805 (2012 Metric)"
MOD401: "BLE PSoC Module 4.1", Current - Receiving=16.4mA, Current - Transmitting=15.6mA, Digi-Key Part Number=428-3809-ND, Frequency=2.4GHz, Manufacturer="Cypress Semiconductor Corp", Power - Output=3dBm, Voltage - Supply="1.7 V ~ 5.5 V", ClassName=3D_EXPORT, ComponentLink1Description=Datasheet, ComponentLink1URL=http://www.cypress.com/file/223701/download, Data Rate=1Mbps, Manufacturer Part Number=CYBLE-214009-00, Protocol="Bluetooth v4.1", Sensitivity=-91dBm, Supplier 1=Digi-Key, Supplier Part Number 1=428-3809-ND
Q401 Q403: "MOSFET P-CH 12V 22A 3PICOSTAR", Digi-Key Part Number=296-40003-1-ND, Manufacturer="Texas Instruments", Package / Case=3-XFDFN, ComponentLink1Description=Datasheet, ComponentLink1URL=http://www.ti.com/lit/ds/symlink/csd23382f4.pdf, FET Type=P-Channel, Manufacturer Part Number=CSD23382F4
Q402 Q502: "12V N-CHANNEL FEMTOFET MOSFET", Manufacturer="Texas Instruments", Package / Case=3-XFDFN, ComponentLink1Description=Datasheet, ComponentLink1URL=http://www.ti.com/lit/ds/symlink/csd13380f3.pdf, Digi-Key Part Number=CSD13380F3T, FET Type=N-Channel, Manufacturer Part Number=CSD13380F3T
Q501: library part APT2012P3BT, "0805 PHOTOTRANSISTOR", Current - Collector (Ic) (Max)=1mA, Current - Dark (Id) (Max)=100nA, Digi-Key Part Number=754-1436-1-ND, Manufacturer=Kingbright, Power - Max=100mW, Voltage - Collector Emitter Breakdown (Max)=30V, ClassName=3D_EXPORT, ComponentLink1Description=Datasheet, ComponentLink1URL=https://www.kingbrightusa.com/images/catalog/spec/APT2012P3BT.pdf, Manufacturer Part Number=KPT-2012P3BT, PackageReference=0805, Supplier 1=Digi-Key, Supplier Part Number 1=754-1436-1-ND
R301 R302 R305 R409: library part "0402R-820k OHM-1%-0.063W", "RES SMD 820kOHM 1% 1/16W 0402", Digi-Key Part Number=YAG3240CT-ND, Manufacturer=Yageo, Manufacturer Part Number=RC0402FR-07820KL, Power=0.063W, Resistance (Ohms)=820KOhm, Tolerance=1%, GENERIC_OK=YES, PackageReference=0402
R303 R304 R410: library part "0402R-82k OHM-1%-0.063W", "RES SMD 82kOHM 1% 1/16W 0402", Digi-Key Part Number=311-82.0KLRCT-ND, Manufacturer=Yageo, Manufacturer Part Number=RC0402FR-0782KL, Power=0.063W, Resistance (Ohms)=82KOhm, Tolerance=1%, GENERIC_OK=YES, PackageReference=0402
R306: library part "0402R-200k OHM-1%-0.063W", "RES SMD 200kOHM 1% 1/16W 0402", Digi-Key Part Number=YAG3452CT-ND, Manufacturer=Yageo, Manufacturer Part Number=AC0402FR-07200KL, Power=0.063W, Resistance (Ohms)=200KOhm, Tolerance=1%, Features="Moisture Resistant", GENERIC_OK=YES, PackageReference=0402
R307: library part "0402R-150k OHM-5%-0.063W", "RES SMD 150kOHM 5% 1/16W 0402", Digi-Key Part Number=311-150KJRCT-ND, Manufacturer=Yageo, Manufacturer Part Number=RC0402JR-07150KL, Power=0.063W, Resistance (Ohms)=150KOhm, Tolerance=5%, Features="Moisture Resistant", GENERIC_OK=YES, PackageReference=0402
R308 R403 R404 R411 R504: library part "0402R-10k OHM-1%-0.063W", "RES SMD 10kOHM 1% 1/16W 0402", Digi-Key Part Number=311-10.0KLRCT-ND, Manufacturer=Yageo, Manufacturer Part Number=RC0402FR-0710KL, Power=0.063W, Resistance (Ohms)=10KOhm, Tolerance=1%, Features="Moisture Resistant", GENERIC_OK=YES, PackageReference=0402
R309: library part "0402R-5.6k OHM-5%-0.063W", "RES SMD 5.6kOHM 5% 1/16W 0402", Digi-Key Part Number=311-5.6KJRCT-ND, Manufacturer=Yageo, Manufacturer Part Number=RC0402JR-075K6L, Power=0.063W, Resistance (Ohms)=5.6KOhm, Tolerance=5%, GENERIC_OK=YES, PackageReference=0402
R310 R406: library part "0402R-41.2k OHM-1%-0.063W", "RES SMD 41.2kOHM 1% 1/16W 0402", Digi-Key Part Number=YAG3155CT-ND, Manufacturer=Yageo, Manufacturer Part Number=RC0402FR-0741K2L, Power=0.063W, Resistance (Ohms)=41.2KOhm, Tolerance=1%, GENERIC_OK=YES, PackageReference=0402
R401 R402: library part "0402R- 33 OHM-1%-0.063W", "RES SMD  33 OHM 1% 1/16W 0402", Digi-Key Part Number=311-33.0LRCT-ND, Manufacturer=Yageo, Manufacturer Part Number=RC0402FR-0733RL, Power=0.063W, Resistance (Ohms)=33Ohm, Tolerance=1%, Features="Moisture Resistant", GENERIC_OK=YES, PackageReference=0402
R405 R407: library part "0402R-Do Not Place"
R408 R412: library part "0402R-390k OHM-1%-0.063W", "RES SMD 390kOHM 1% 1/16W 0402", Digi-Key Part Number=YAG3143CT-ND, Manufacturer=Yageo, Manufacturer Part Number=RC0402FR-07390KL, Power=0.063W, Resistance (Ohms)=390KOhm, Tolerance=1%, Features="Moisture Resistant", GENERIC_OK=YES, PackageReference=0402
R501: library part "0402R-0 OHM-0.063W", "RES SMD 0.0OHM JUMPER 1/16W 0402", Digi-Key Part Number=311-0.0JRCT-ND, Manufacturer=Yageo, Manufacturer Part Number=RC0402JR-070RL, Power=0.063W, Resistance (Ohms)="0 Ohm", Features="Moisture Resistant", GENERIC_OK=YES, PackageReference=0402
R502: library part "0402R-100 OHM-1%-0.063W", "RES SMD 100OHM 1% 1/16W 0402", Digi-Key Part Number=311-100LRCT-ND, Manufacturer=Yageo, Manufacturer Part Number=RC0402FR-07100RL, Power=0.063W, Resistance (Ohms)=100Ohm, Tolerance=1%, Features="Moisture Resistant", GENERIC_OK=YES, PackageReference=0402
R503: library part "0402R-1k OHM-1%-0.063W", "RES SMD 1kOHM 1% 1/16W 0402", Power=0.063W, Resistance (Ohms)=1KOhm, Tolerance=1%, GENERIC_OK=YES, PackageReference=0402
SW401 SW402: "SPST Tactile Switch", Contact Rating @ Voltage="0.05A @ 12VDC", Digi-Key Part Number=CKN10777CT-ND, Manufacturer=C&K, Manufacturer Part Number="KXT 311 LHS", Operating Force=100gf, Supplier Part Number 1=CKN10777TR-ND, Actuator Height off PCB, Vertical=0.60mm, ClassName=3D_EXPORT, ComponentLink1Description=Datasheet, ComponentLink1URL=http://www.ckswitches.com/media/1465/kxt3.pdf, Mechanical Life="300,000 Cycles", Mounting Type="Surface Mount", Supplier 1=Digi-Key
TP301 TP302 TP401 TP402 TP501 TP502 TP503 TP504 TP505 TP506: "Testing Poiny", ClassName=TP
U301: "Boost converter 28V", Current - Output / Channe="1.2A (Switch)", Digi-Key Part Number=296-44337-1-ND, Frequency=1.05MHz, Manufacturer="Texas Instruments", Voltage - Output="4.5 V ~ 28 V", Voltage - Supply (Max)=5.5V, Voltage - Supply (Min)=1.8V, ComponentLink1Description=Datasheet, ComponentLink1URL=http://www.ti.com/lit/ds/symlink/tps61046.pdf, Manufacturer Part Number=TPS61046YFFR, PackageReference="6-UFBGA, DSBGA", Supplier 1=Digi-Key, Supplier Part Number 1=296-44337-1-ND
U302: "Li-Ion linear battery charger", Battery Pack Voltag=4.2V, Charge Current - Max=650mA, Digi-Key Part Number=497-17241-1-ND, Manufacturer=STMicroelectronics, Manufacturer Part Number=STBC03JR, Voltage - Supply (Max)=5.4V, Battery Chemistry=Lithium-Ion/Polymer, ComponentLink1Description=Datasheet, ComponentLink1URL=http://www.st.com/content/ccc/resource/technical/document/datasheet/group3/05/ea/e8/4e/a7/a6/4a/c6/DM00338132/files/DM00338132.pdf/jcr:content/translations/en.DM00338132.pdf, PackageReference="30-UFBGA, FCBGA"
U401: library part M24256-DFMC6TG, "IC EEPROM 256KBIT 400KHZ 8UFDFPN", Clock Frequency=1MHz, Digi-Key Part Number=497-15742-1-ND, Manufacturer=STMicroelectronics, Voltage - Supply="1.7 V ~ 5.5 V", ComponentLink1Description=Dataseet, ComponentLink1URL=http://www.st.com/content/ccc/resource/technical/document/datasheet/b6/38/3e/3f/fe/a6/48/c2/CD00001891.pdf/files/CD00001891.pdf/jcr:content/translations/en.CD00001891.pdf, Manufacturer Part Number=M24256-DFMC6TG, Memory Forma=EEPROM, Memory Interface=I²C, Memory Type=Non-Volatile, PackageReference=8-UFDFPN, Write Cycle Time - Word, Page=5ms
FIDU201 FIDU202 FIDU203 FIDU204: ClassName=FIDU

## Free pads (board coordinates)
  round 1.3 hole 1.3: 1(0,0)

## Via types
v1: diameter 0.401, hole 0.15, Component Side to Solder Side, tented both sides, 44 vias
v2: diameter 0.451, hole 0.2, Component Side to Solder Side, tented both sides, 19 vias
v3: diameter 0.25, hole 0.1, Inner Layer 2 to Solder Side, tented both sides, 18 vias
v4: diameter 0.25, hole 0.1, Component Side to Inner Layer 1, tented both sides, 8 vias
v5: diameter 0.41, hole 0.15, Component Side to Solder Side, tented both sides, 5 vias
v6: diameter 0.45, hole 0.15, Component Side to Solder Side, tented both sides, 5 vias
v7: diameter 0.401, hole 0.15, Component Side to Solder Side, tented top, 5 vias
v8: diameter 0.401, hole 0.15, Inner Layer 1 to Inner Layer 2, tented both sides, 5 vias
v9: diameter 0.401, hole 0.15, Component Side to Solder Side, 3 vias
v10: diameter 0.31, hole 0.1, Component Side to Solder Side, tented both sides, 3 vias
v11: diameter 0.61, hole 0.2, Component Side to Solder Side, tented both sides, 2 vias
v12: diameter 0.41, hole 0.15, Component Side to Solder Side, tented top, 1 vias
v13: diameter 0.401, hole 0.1, Inner Layer 2 to Solder Side, tented bottom, 1 vias
v14: diameter 0.25, hole 0.1, Component Side to Inner Layer 1, 1 vias
v15: diameter 0.401/0.401/0.401/0.401 (per signal layer), hole 0.15, Component Side to Solder Side, tented both sides, 1 vias
v16: diameter 0.401, hole 0.15, Inner Layer 1 to Inner Layer 2, 1 vias
v17: diameter 0.5, hole 0.2, Component Side to Solder Side, tented both sides, 1 vias
v18: diameter 0.31, hole 0.1, Component Side to Solder Side, tented top, 1 vias
v19: diameter 0.25, hole 0.1, Inner Layer 2 to Solder Side, 1 vias